# Altium PCB STM32F7_CoreBoard.PcbDoc (part 8 of 8)
Units mm, origin at the board's own origin, x right, y up, seen from the top; angles counter-clockwise.
Board outline 65 x 50 mm, 6 copper layers (L1, L2, L3, L4, L5, L6), stack 1.597 mm thick; 114 components, 192 nets, 736 pads, 791 vias.
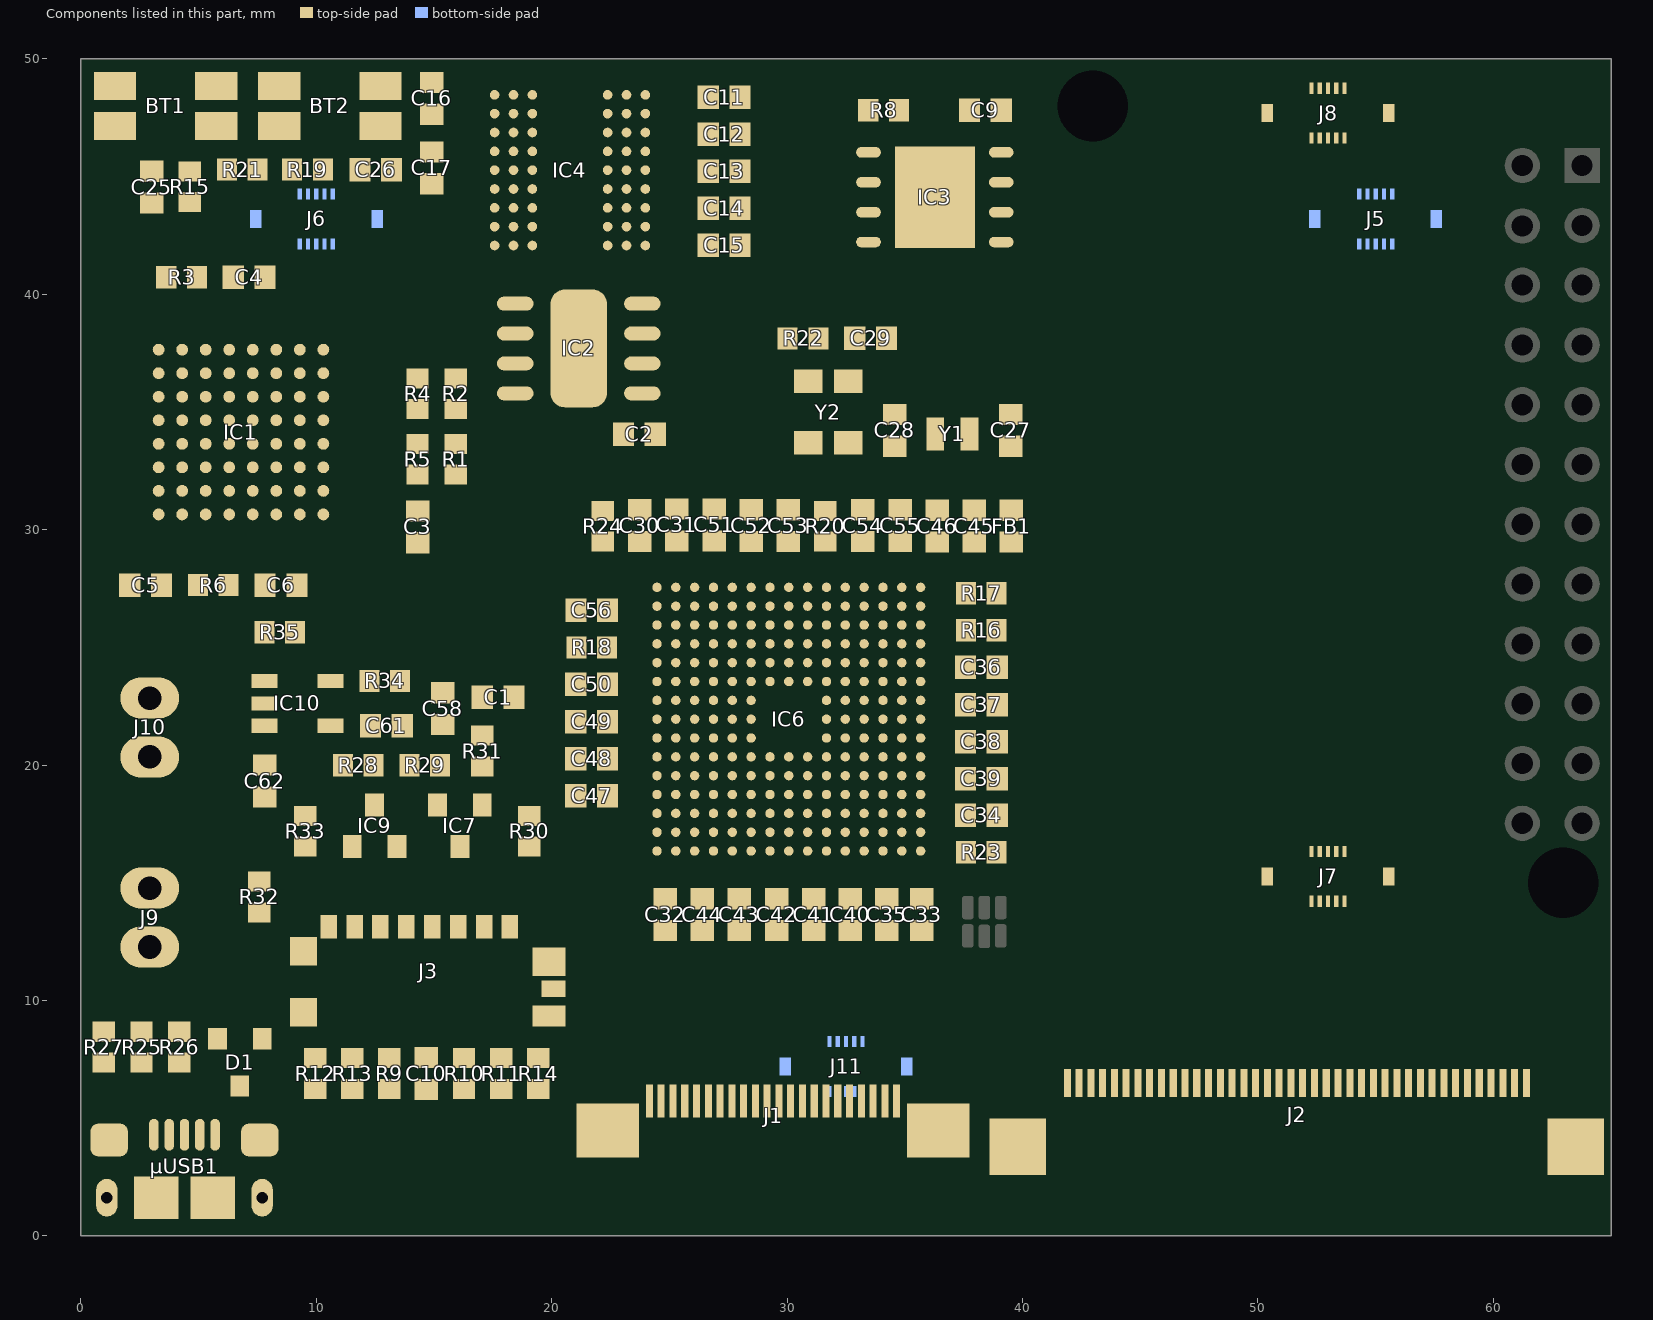
[diagram p12: the components of this part, seen from the top]

## Polygon pours and split planes (outlines as drawn) (continued)
3v3 on L1 "L1-3v3" (solid, pour order 6): 23.85,34.625 23.85,33.45 22.3,33.45 22.3,32.574 20.6,32.577 20.6,34.825 22.45,34.825 22.45,38.7 24.7,38.7 24.7,34.625
Vselected on L1 "L1-Vselected" (solid, pour order 8): 19.325,35 18.45,34.125 18.45,32.825 16.975,32.825 16.975,34.55 17.6,35.175 17.6,38.809 19.325,38.809
GND on L1 "L1-GND" (solid, remove dead copper, pour order 19): 0,0 65,0 65,50 0,50
5V on L1 "L1-5V" (solid, pour order 0): 3.4,3.5 2.8,3.5 2.8,5.227 0,5.223 0,8.125 2,8.125 2,6.85 3.4,6.85
VDD on L2 "L2-VDD" (solid, remove dead copper, pour order 9): 21.525,12.125 40.33,12.125 40.33,33.575 21.525,33.575
5V on L2 "L2-5V" (solid, pour order 13): 61.294,16.325 62.1,17.131 62.1,23.475 52.775,23.475 52.775,45.625 50.75,45.625 50.75,47.025 50.05,47.025 50.05,44.975 52.05,44.975 52.05,21.75 60.35,21.75 60.35,17.675 49.05,17.675 41.075,9.7 41.075,3.925 29.8,3.925 29.8,4.35 28.95,4.35 28.95,3.925 24.95,3.925 24.95,7.075 10.125,7.075 10.125,14.825 11.375,14.825 11.375,15.4 9.55,15.4 9.55,7.075 1.7,7.075 1.7,11.29 3.487,11.29 4.272,12.075 4.272,13.247 2.35,13.247 2.35,20.9 9.875,20.9 9.875,21.875 2.35,21.875 2.35,26.825 11.55,26.825 11.55,39.225 6.3,44.475 5.925,44.475 5.925,43.675 10.525,39.075 10.525,27.8 0,27.8 0,5 3.4,5 3.45,5.05 23.6,5.05 23.6,2.125 23.875,2.125 24.35,2.6 24.35,3.15 42.25,3.15 42.25,9.35 49.225,16.325
3v3 on L2 "L2-3v3" (solid, pour order 17): 0,0 65,0 65,50 0,50
Vselected on L2 "L2-Vselected" (solid, pour order 15): 13.65,17.025 13.825,16.85 14.375,16.85 14.95,17.425 14.95,19.851 18.3,23.201 18.3,34.55 17,34.55 17,23.65 13.875,20.525 13.875,17.875 13.65,17.65
GND on L5 "L5-GND" (solid, pour order 21): 0,0 65,0 65,50 0,50

## Other copper
L1:
  pour cut-out: 37.075,16.875 37.075,17.275 38.25,17.275 38.25,15.725 37.075,15.725

## Silkscreen, mask and mechanical layers (free items; w line width, h text height)
Top Overlay:
  lines w0.254: 40.975,50 40.975,13 64.975,13
  text "p" at 17.13,27.76 h2.5
  text "E" at 48.525,24.425 h10
  text "4" at 37.425,14.625 h1
  text "5" at 38.2,14.625 h1
  text "6" at 38.85,14.625 h1
  text "1" at 37.425,11.45 h1
  text "2" at 38.2,11.45 h1
  text "3" at 38.85,11.45 h1
  text "STF7-SoM" at 46.97,10.12 h3
  text "1 - SWO / 2 - NRST / 3 - GND / 4 - VDD / 5 - SWDIO / 6 - SWCLK" at 42.35,8.17 h1
  text "TFT LCD" at 50.98,7.88 h1
  text "Camera" at 27.881,7.12 h1
  text "W" at 16.77,0.41 h4
  text "R" at 12.4,-0.6 h4
Bottom Overlay:
  text "STF7-SoM" at 37.8,29.275 h3
  text "p" at 16.13,4.15 h5
  text "E" at 48.84,3.4 h10
  text "W" at 60.49,2.73 h10
  text "R" at 8.5,1.1 h10
Mechanical 1:
  the board outline again, w0.254